# KiCad board bb-pcb-v1.kicad_pcb (continued)
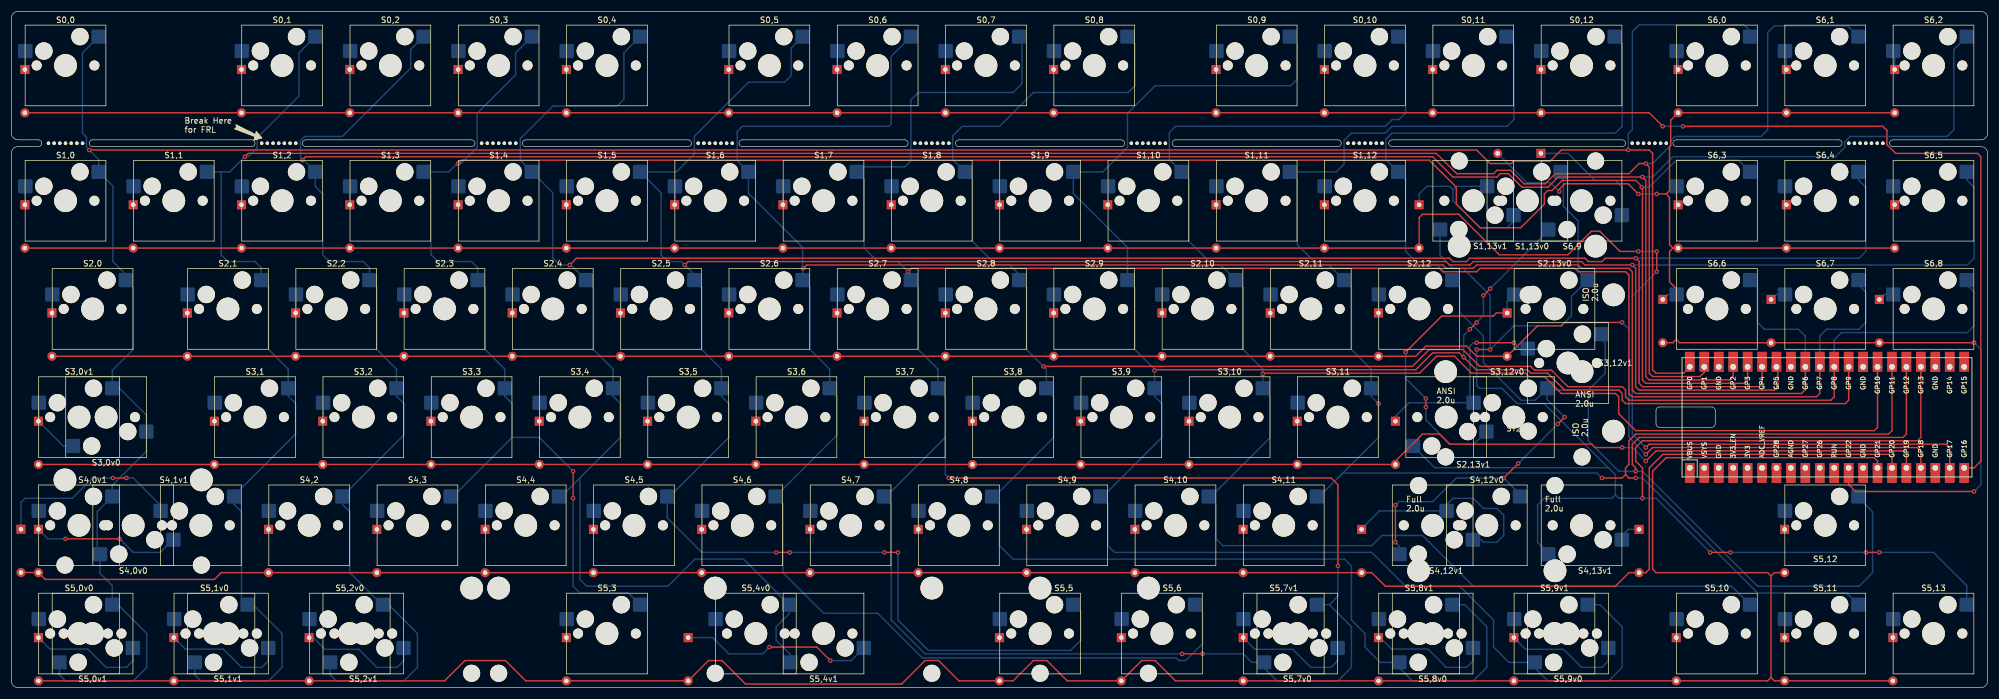
[diagram p0: board, top side]
## Nets
Col0: S0,0.2 S1,0.2 S2,0.2 S3,0v0.1 S3,0v1.2 S4,0v0.2 S4,0v1.2 S5,0v0.2 S5,0v1.2 S6,0.2 U1.1
Col1: S0,1.2 S1,1.2 S2,1.2 S3,1.2 S4,1v1.2 S5,1v0.2 S5,1v1.2 S6,1.2 U1.2
Col2: S0,2.2 S1,2.2 S2,2.2 S3,2.2 S4,2.2 S5,2v0.2 S5,2v1.2 S6,2.2 U1.4
Col3: S0,3.2 S1,3.2 S2,3.2 S3,3.2 S4,3.2 S5,3.2 S6,3.2 U1.5
Col4: S0,4.2 S1,4.2 S2,4.2 S3,4.2 S4,4.2 S5,4v0.2 S5,4v1.2 S6,4.2 U1.6
Col5: S0,5.2 S1,5.2 S2,5.2 S3,5.2 S4,5.2 S5,5.2 S6,5.2 U1.7
Col7: S0,7.2 S1,7.2 S2,7.2 S3,7.2 S4,7.2 S5,7v0.2 S5,7v1.2 S6,7.2 U1.10
Col8: S0,8.2 S1,8.2 S2,8.2 S3,8.2 S4,8.2 S5,8v0.2 S5,8v1.2 S6,8.2 U1.11
Col9: S0,9.2 S1,9.2 S2,9.2 S3,9.2 S4,9.2 S5,9v0.2 S5,9v1.2 S6,9.2 U1.12
Col10: S0,10.2 S1,10.2 S2,10.2 S3,10.2 S4,10.2 S5,10.2 U1.14
Col11: S0,11.2 S1,11.2 S2,11.2 S3,11.2 S4,11.2 S5,11.2 U1.15
Col12: S0,12.2 S1,12.2 S2,12.2 S3,12v0.2 S3,12v1.2 S4,12v0.2 S4,12v1.2 S5,12.2 U1.16
Col13: S1,13v0.2 S1,13v1.2 S2,13v0.2 S2,13v1.2 S4,13v1.2 S5,13.2 U1.17
Cpl6: S0,6.2 S1,6.2 S2,6.2 S3,6.2 S4,6.2 S5,6.2 S6,6.2 U1.9
Row0: D0,0.2 D0,1.2 D0,2.2 D0,3.2 D0,4.2 D0,5.2 D0,6.2 D0,7.2 D0,8.2 D0,9.2 D0,10.2 D0,11.2 D0,12.2 U1.21
Row1: D1,0.2 D1,1.2 D1,2.2 D1,3.2 D1,4.2 D1,5.2 D1,6.2 D1,7.2 D1,8.2 D1,9.2 D1,10.2 D1,11.2 D1,12.2 D1,13.2 U1.22
Row2: D2,0.2 D2,1.2 D2,2.2 D2,3.2 D2,4.2 D2,5.2 D2,6.2 D2,7.2 D2,8.2 D2,9.2 D2,10.2 D2,11.2 D2,12.2 D2,13.2 U1.24
Row3: D3,0.2 D3,1.2 D3,2.2 D3,3.2 D3,4.2 D3,5.2 D3,6.2 D3,7.2 D3,8.2 D3,9.2 D3,10.2 D3,11.2 D3,12.2 U1.25
Row4: D4,0.2 D4,1.2 D4,2.2 D4,3.2 D4,4.2 D4,5.2 D4,6.2 D4,7.2 D4,8.2 D4,9.2 D4,10.2 D4,11.2 D4,12.2 D4,13.2 U1.26
Row5: D5,0.2 D5,1.2 D5,2.2 D5,3.2 D5,4.2 D5,5.2 D5,6.2 D5,7.2 D5,8.2 D5,9.2 D5,10.2 D5,11.2 D5,12.2 D5,13.2 U1.27
Row6: D6,0.2 D6,1.2 D6,2.2 D6,3.2 D6,4.2 D6,5.2 D6,6.2 D6,7.2 D6,8.2 D6,9.2 U1.29
Net-(D0,0-K): D0,0.1 S0,0.1
Net-(D0,1-K): D0,1.1 S0,1.1
Net-(D0,2-K): D0,2.1 S0,2.1
Net-(D0,3-K): D0,3.1 S0,3.1
Net-(D0,4-K): D0,4.1 S0,4.1
Net-(D0,5-K): D0,5.1 S0,5.1
Net-(D0,6-K): D0,6.1 S0,6.1
Net-(D0,7-K): D0,7.1 S0,7.1
Net-(D0,8-K): D0,8.1 S0,8.1
Net-(D0,9-K): D0,9.1 S0,9.1
Net-(D0,10-K): D0,10.1 S0,10.1
Net-(D0,11-K): D0,11.1 S0,11.1
Net-(D0,12-K): D0,12.1 S0,12.1
Net-(D1,0-K): D1,0.1 S1,0.1
Net-(D1,1-K): D1,1.1 S1,1.1
Net-(D1,2-K): D1,2.1 S1,2.1
Net-(D1,3-K): D1,3.1 S1,3.1
Net-(D1,4-K): D1,4.1 S1,4.1
Net-(D1,5-K): D1,5.1 S1,5.1
Net-(D1,6-K): D1,6.1 S1,6.1
Net-(D1,7-K): D1,7.1 S1,7.1
Net-(D1,8-K): D1,8.1 S1,8.1
Net-(D1,9-K): D1,9.1 S1,9.1
Net-(D1,10-K): D1,10.1 S1,10.1
Net-(D1,11-K): D1,11.1 S1,11.1
Net-(D1,12-K): D1,12.1 S1,12.1
Net-(D1,13-K): D1,13.1 S1,13v0.1 S1,13v1.1
Net-(D2,0-K): D2,0.1 S2,0.1
Net-(D2,1-K): D2,1.1 S2,1.1
Net-(D2,2-K): D2,2.1 S2,2.1
Net-(D2,3-K): D2,3.1 S2,3.1
Net-(D2,4-K): D2,4.1 S2,4.1
Net-(D2,5-K): D2,5.1 S2,5.1
Net-(D2,6-K): D2,6.1 S2,6.1
Net-(D2,7-K): D2,7.1 S2,7.1
Net-(D2,8-K): D2,8.1 S2,8.1
Net-(D2,9-K): D2,9.1 S2,9.1
Net-(D2,10-K): D2,10.1 S2,10.1
Net-(D2,11-K): D2,11.1 S2,11.1
Net-(D2,12-K): D2,12.1 S2,12.1
Net-(D2,13-K): D2,13.1 S2,13v0.1 S2,13v1.1
Net-(D3,0-K): D3,0.1 S3,0v0.2 S3,0v1.1
Net-(D3,1-K): D3,1.1 S3,1.1
Net-(D3,2-K): D3,2.1 S3,2.1
Net-(D3,3-K): D3,3.1 S3,3.1
Net-(D3,4-K): D3,4.1 S3,4.1
Net-(D3,5-K): D3,5.1 S3,5.1
Net-(D3,6-K): D3,6.1 S3,6.1
Net-(D3,7-K): D3,7.1 S3,7.1
Net-(D3,8-K): D3,8.1 S3,8.1
Net-(D3,9-K): D3,9.1 S3,9.1
Net-(D3,10-K): D3,10.1 S3,10.1
Net-(D3,11-K): D3,11.1 S3,11.1
Net-(D3,12-K): D3,12.1 S3,12v0.1 S3,12v1.1
Net-(D4,0-K): D4,0.1 S4,0v0.1 S4,0v1.1
Net-(D4,1-K): D4,1.1 S4,1v1.1
Net-(D4,2-K): D4,2.1 S4,2.1
Net-(D4,3-K): D4,3.1 S4,3.1
Net-(D4,4-K): D4,4.1 S4,4.1
Net-(D4,5-K): D4,5.1 S4,5.1
Net-(D4,6-K): D4,6.1 S4,6.1
Net-(D4,7-K): D4,7.1 S4,7.1
Net-(D4,8-K): D4,8.1 S4,8.1
Net-(D4,9-K): D4,9.1 S4,9.1
Net-(D4,10-K): D4,10.1 S4,10.1
Net-(D4,11-K): D4,11.1 S4,11.1
Net-(D4,12-K): D4,12.1 S4,12v0.1 S4,12v1.1
Net-(D4,13-K): D4,13.1 S4,13v1.1
Net-(D5,0-K): D5,0.1 S5,0v0.1 S5,0v1.1
Net-(D5,1-K): D5,1.1 S5,1v0.1 S5,1v1.1
Net-(D5,2-K): D5,2.1 S5,2v0.1 S5,2v1.1
Net-(D5,3-K): D5,3.1 S5,3.1
Net-(D5,4-K): D5,4.1 S5,4v0.1 S5,4v1.1
Net-(D5,5-K): D5,5.1 S5,5.1
Net-(D5,6-K): D5,6.1 S5,6.1
Net-(D5,7-K): D5,7.1 S5,7v0.1 S5,7v1.1
Net-(D5,8-K): D5,8.1 S5,8v0.1 S5,8v1.1
Net-(D5,9-K): D5,9.1 S5,9v0.1 S5,9v1.1
Net-(D5,10-K): D5,10.1 S5,10.1
Net-(D5,11-K): D5,11.1 S5,11.1
Net-(D5,12-K): D5,12.1 S5,12.1
Net-(D5,13-K): D5,13.1 S5,13.1
Net-(D6,0-K): D6,0.1 S6,0.1
Net-(D6,1-K): D6,1.1 S6,1.1
Net-(D6,2-K): D6,2.1 S6,2.1
Net-(D6,3-K): D6,3.1 S6,3.1
Net-(D6,4-K): D6,4.1 S6,4.1
Net-(D6,5-K): D6,5.1 S6,5.1
Net-(D6,6-K): D6,6.1 S6,6.1
Net-(D6,7-K): D6,7.1 S6,7.1
Net-(D6,8-K): D6,8.1 S6,8.1
Net-(D6,9-K): D6,9.1 S6,9.1

Pads without a net: U1 3 8 13 18 19 20 23 28 30 31 32 33 34 35 36 37 38 39 40

## Via types
v1: diameter 0.8, hole 0.4, Top to Bottom, 75 vias

## Routing (per net, layer and track width the routed paths; a pad name or vN(x,y) marks a point on that pad's centre or on a via; arc(x,y) is an arc through that point)
Col0: length 513.9
  Top w0.25: U1.1 294.16,55.36 289.32,55.36 288.73,55.96 288.73,94.06 288.13,94.65 v1(284.44,94.65) 272.65,94.65 270.7,92.71 264.32,92.71 263.89,92.27 260.15,92.27 257.77,94.65 v1(13.69,94.65)
  Bottom w0.25: 305.88,114.62 305.88,115.6 304.8,116.68 286.35,116.68 285.15,115.49 285.15,98.23 284.44,97.51 v1(284.44,94.65) 284.46,94.67 ; S5,0v1.2 8.45,2.27 9.53,1.19 21.43,1.19 23.81,3.57 23.81,9.53 18.73,14.61 S5,0v0.2 17.75,17.97 15.59,20.13 S4,0v0.2 15.1,23.98 15.1,31.01 S4,0v1.2 17.75,35.61 23.81,41.67 23.75,41.73 S3,0v0.1 23.75,47.97 19.02,52.71 S3,0v1.2 17.75,55.85 21.43,59.53 21.43,70.45 S2,0.2 20.13,72.74 17.86,75.01 17.86,88.31 S1,0.2 15.37,92.98 v1(13.69,94.65) 13.2,95.15 13.2,96.93 12.5,97.63 12.5,111.75 15.37,114.62
Col1: length 515.5
  Top w0.25: U1.2 297.82,55.52 297.06,54.77 288.73,54.77 288.13,55.36 288.13,91.68 v1(287.54,92.27) 286.35,92.27 284.56,90.49 271.61,90.49 269.82,88.7 266.1,88.7 263.72,91.08 261.34,91.08 260.75,90.49 254.25,90.49 ; v1(41.08,93.46) 41.67,94.06 250.68,94.06 254.22,90.51 ; 254.22,90.51 254.25,90.49 ; 254.22,90.51 254.25,90.49
  Bottom w0.25: v1(287.54,92.27) 288.73,92.27 291.91,95.45 291.91,96.26 292.69,97.04 307.78,97.04 308.97,98.23 308.97,115.33 310.16,116.52 323.03,116.52 324.93,114.62 ; 36.91,90.81 36.91,76.2 38.1,75.01 42.86,75.01 44.05,73.82 43.94,73.71 S2,1.2 45.24,70.45 45.24,59.53 48.7,56.07 S3,1.2 48.7,51.31 50.01,50.01 50.01,44.65 39.18,33.82 S4,1v1.2 39.18,32.26 40.48,30.96 40.48,15.68 S5,1v0.2 42.55,14.61 47.63,9.53 47.63,3.57 45.24,1.19 33.34,1.19 32.26,2.27 S5,1v1.2 ; 36.91,90.81 38.42,90.81 v1(41.08,93.46) 41.67,93.46 43.22,95.01 43.22,96.8 50.6,104.18 50.6,111.75 53.47,114.62 ; 36.91,90.81 S1,1.2
Col2: length 533.2
  Top w0.25: U1.4 302.9,54.77 302.3,54.17 288.13,54.17 287.54,54.77 287.54,89.3 v1(286.94,89.89) 272.1,89.89 270.31,88.11 265.74,88.11 263.35,90.49 261.94,90.49 261.34,89.89 253.6,89.89 250.03,93.46 51.79,93.46 v1(51.2,92.87)
  Bottom w0.25: S5,2v1.2 56.07,2.27 57.15,1.19 69.06,1.19 71.44,3.57 71.44,9.53 66.36,14.61 S5,2v0.2 65.17,14.61 59.53,20.24 59.53,30.96 58.23,32.26 S4,2.2 69.06,44.48 69.06,50.01 67.75,51.31 S3,2.2 67.75,56.07 64.29,59.53 64.29,70.45 S2,2.2 62.99,73.93 61.91,75.01 55.96,75.01 54.77,76.2 54.77,86.92 53.47,88.22 S1,2.2 51.4,92.87 v1(51.2,92.87) 51.2,93.08 50.86,93.41 50.86,96.28 51.62,97.04 58.23,97.04 70.25,109.05 70.25,112.35 72.52,114.62 ; 343.98,114.62 341.71,112.35 341.71,98.23 340.52,97.04 323.47,97.04 322.54,96.11 322.54,95.13 320.87,93.46 292.3,93.46 288.73,89.89 v1(286.94,89.89)
Col3: length 450.6
  Top w0.25: 286.94,88.11 285.75,89.3 272.81,89.3 271.02,87.51 270.27,87.51 269.68,86.92 269.68,85.13 265.51,80.96 258.37,80.96 254.2,85.13 254.2,88.11 249.44,92.87 79.18,92.87 v1(78.58,92.27) ; 286.94,88.11 v1(286.81,88.11) ; 286.94,88.11 286.94,54.17 287.54,53.58 304.8,53.58 305.44,54.21 U1.5 ; v1(98.82,38.1) v1(98.82,33.34)
  Bottom w0.25: 91.57,114.62 88.7,111.75 88.7,107.88 81.92,101.1 81.92,95.11 79.09,92.27 v1(78.58,92.27) 78.41,92.27 76.94,90.81 S1,3.2 73.82,89.5 73.82,76.2 75.01,75.01 80.96,75.01 82.04,73.93 S2,3.2 83.34,70.45 83.34,59.53 86.8,56.07 S3,3.2 86.8,51.31 88.11,50.01 88.11,44.05 ; S5,3.2 108.55,16.67 100.01,16.67 98.82,17.86 v1(98.82,33.34) ; 88.11,44.05 77.71,33.66 S4,3.2 ; 88.11,44.05 92.87,44.05 v1(98.82,38.1) ; S6,3.2 303.82,92.87 292.89,92.87 288.13,88.11 v1(286.81,88.11)
Col4: length 473.9
  Top w0.25: U1.6 307.98,53.58 307.38,52.98 286.94,52.98 286.35,53.58 286.35,75.01 v1(285.75,75.6) 280.39,75.6 279.8,75.01 277.42,75.01 276.82,75.6 256.58,75.6 255.98,75.01 253.6,75.01 253.01,75.6 99.42,75.6 v1(98.23,74.41)
  Bottom w0.25: v1(285.75,75.6) 325.04,75.6 326.23,76.8 326.23,88.11 324.93,89.41 S6,4.2 ; 100.01,36.91 100.01,19.05 101.2,17.86 115.49,17.86 120.25,22.62 128.79,22.62 S5,4v0.2 136.81,12.99 134.54,10.72 134.54,8.33 137.03,5.84 S5,4v1.2 ; 100.01,36.91 96.76,33.66 S4,4.2 ; 100.01,36.91 107.16,44.05 107.16,50.01 105.85,51.31 S3,4.2 105.85,56.07 102.39,59.53 102.39,70.45 S2,4.2 98.43,74.41 v1(98.23,74.41) 96.44,74.41 95.25,75.6 95.25,87.12 S1,4.2 89.54,92.83 89.54,96.68 95.25,102.39 95.85,102.39 106.56,102.39 107.75,103.58 107.75,111.75 110.62,114.62
Col5: length 510.2
  Top w0.25: v1(134.54,23.81) v1(136.92,23.81) ; U1.7 310.75,56.24 310.75,52.98 310.16,52.39 286.35,52.39 285.75,52.98 285.75,73.82 v1(285.15,74.41) 276.82,74.41 276.23,75.01 257.18,75.01 256.58,74.41 253.01,74.41 252.41,75.01 119.06,75.01 v1(118.47,74.41) ; v1(153.59,23.81) v1(155.97,23.81)
  Bottom w0.25: 116.68,32.35 S4,5.2 ; S4,5.2 115.81,33.66 126.21,44.05 126.21,50.01 124.9,51.31 S3,5.2 124.9,56.07 121.44,59.53 121.44,70.45 S2,5.2 120.14,72.74 118.47,74.41 v1(118.47,74.41) 117.87,75.01 115.49,75.01 114.3,76.2 114.3,87.12 S1,5.2 117,90.81 120.15,93.96 120.15,97.07 129.68,106.6 136.02,106.6 137.18,107.75 137.18,112.61 139.19,114.62 ; S4,5.2 115.38,29.88 121.44,23.81 v1(134.54,23.81) ; v1(285.15,74.41) 344.09,74.41 345.28,75.6 345.28,88.11 343.98,89.41 S6,5.2 ; S5,5.2 188.12,13.3 188.12,8.33 186.33,6.55 161.33,6.55 155.97,11.91 v1(155.97,23.81) ; v1(136.92,23.81) v1(153.59,23.81)
Col7: length 553
  Top w0.25: v1(233.36,21.43) 233.36,35.72 232.17,36.91 v1(164.9,36.91) ; v1(205.98,5.95) v1(209.55,5.95) ; U1.10 318.14,51.79 317.54,51.2 285.15,51.2 284.56,51.79 284.56,72.63 283.96,73.22 275.63,73.22 275.03,73.82 258.37,73.82 257.77,73.22 251.82,73.22 251.22,73.82 158.35,73.82 v1(157.76,73.22)
  Bottom w0.25: v1(164.9,36.91) 164.31,37.5 164.31,44.05 ; 231.85,14.61 S5,7v1.2 ; 231.85,14.61 233.36,16.11 v1(233.36,21.43) ; 231.85,14.61 235.74,10.72 235.74,3.57 233.36,1.19 222.65,1.19 220.38,3.46 S5,7v0.2 218.2,4.45 216.69,5.95 v1(209.55,5.95) ; 164.31,44.05 153.91,33.66 S4,7.2 154.78,32.35 154.78,11.91 160.73,5.95 v1(205.98,5.95) ; 164.31,44.05 164.31,51.2 163,52.5 S3,7.2 163,56.07 159.54,59.53 159.54,70.45 S2,7.2 158.24,72.74 v1(157.76,73.22) 155.97,75.01 152.4,75.01 150.02,77.39 150.02,89.5 S1,7.2 149.59,91.68 157.16,91.68 158.25,92.77 158.25,103.48 159.54,104.78 176.21,104.78 177.78,106.34 177.78,114.13 177.29,114.62 ; S6,7.2 324.93,70.95 326.23,69.65 326.23,64.29 325.04,63.1 319.33,63.1 318.14,61.91 U1.10
Col8: length 439.2
  Top w0.25: v1(181.57,56.55) 246.46,56.55 249.44,59.53 255.35,59.53 258.32,56.55 267.3,56.55 267.95,55.9 270.93,55.9 273.84,52.98 283.37,52.98 283.96,52.39 283.96,51.2 284.56,50.6 320.08,50.6 320.68,51.2 U1.11
  Bottom w0.25: S5,8v1.2 255.67,14.61 259.56,10.72 259.56,3.57 257.18,1.19 246.46,1.19 244.19,3.46 S5,8v0.2 240.82,4.45 238.13,7.14 238.13,9.53 235.74,11.91 235.74,21.43 234.55,22.62 176.21,22.62 173.83,25 173.83,32.35 S4,8.2 172.96,33.66 183.36,44.05 183.36,51.2 182.05,52.5 S3,8.2 182.05,56.07 v1(181.57,56.55) 178.59,59.53 178.59,70.45 S2,8.2 177.29,72.74 175.62,74.41 173.24,74.41 169.07,78.58 169.07,89.5 S1,8.2 165.6,92.97 165.6,97.14 167.28,98.82 173.83,98.82 179.78,104.78 196.45,104.78 197.64,105.97 197.64,113.32 196.34,114.62 ; U1.11 320.68,61.22 321.97,62.51 344.09,62.51 345.28,63.7 345.28,69.65 343.98,70.95 S6,8.2
Col9: length 417.3
  Top w0.25: v1(201.1,55.83) 201.23,55.96 247.05,55.96 250.03,58.94 254.72,58.94 v1(255.5,58.16) 257.7,55.96 266.7,55.96 267.3,55.36 270.27,55.36 273.25,52.39 282.77,52.39 283.37,51.79 283.37,50.6 283.96,50.01 322.62,50.01 323.22,50.6 U1.12 ; v1(258.96,69.06) v1(260.15,70.25) ; v1(256.58,63.1) v1(257.77,64.29)
  Bottom w0.25: v1(256.58,63.1) 255.5,62.02 v1(255.5,58.16) ; S6,9.2 270.38,80.48 v1(260.15,70.25) ; v1(257.77,64.29) 258.96,65.48 v1(258.96,69.06) ; 224.92,114.62 226.22,113.32 226.22,107.16 225.03,105.97 201.22,105.97 196.35,101.1 196.35,95.15 192.01,90.81 S1,9.2 186.82,87.03 196.34,77.5 S2,9.2 197.64,70.45 197.64,59.53 201.1,56.07 v1(201.1,55.83) S3,9.2 201.1,51.31 202.41,50.01 202.41,44.05 192.01,33.66 S4,9.2 192.88,32.35 192.88,25 194.07,23.81 239.32,23.81 245.27,17.86 254.79,17.86 260.75,11.91 260.75,7.14 263.45,4.45 S5,9v0.2 268,3.46 270.27,1.19 280.99,1.19 283.37,3.57 283.37,10.72 279.48,14.61 S5,9v1.2
Col10: length 369.7
  Top w0.25: U1.14 328.3,45.84 327.7,45.24 285.75,45.24 282.77,48.22 282.77,51.2 282.18,51.79 272.65,51.79 269.7,54.75 266.98,54.75 266.36,55.36 256.85,55.36 253.88,58.34 250.71,58.34 247.73,55.36 220.28,55.36 v1(220.15,55.23)
  Bottom w0.25: S5,10.2 302.63,17.86 257.18,17.86 249.44,25.6 248.25,26.79 241.1,26.79 239.32,25 213.12,25 211.93,26.19 211.93,32.35 S4,10.2 211.06,33.66 221.46,44.05 221.46,51.2 220.15,52.5 S3,10.2 v1(220.15,55.23) 220.15,56.07 216.69,59.53 216.69,70.45 S2,10.2 212.73,74.41 211.34,74.41 207.17,78.58 207.17,89.5 S1,10.2 203.7,92.97 203.7,97.73 204.79,98.82 241.7,98.82 242.89,100.01 244.08,100.01 245.27,101.2 245.27,113.32 243.97,114.62
Col11: length 296.8
  Top w0.25: 283.96,37.5 283.96,38.7 284.56,39.29 284.56,43.46 285.75,44.65 330.24,44.65 330.84,45.24 U1.15 ; 283.96,37.5 284.56,36.91 v1(285.75,36.91) ; 283.96,37.5 283.37,36.91 v1(279.8,36.91)
  Bottom w0.25: v1(279.8,36.91) 278.91,37.79 234.25,37.79 233.36,36.91 ; S4,11.2 230.11,33.66 233.36,36.91 ; 233.36,36.91 240.51,44.05 v1(240.51,50.01) 239.2,51.31 S3,11.2 239.2,56.07 235.74,59.53 235.74,70.45 S2,11.2 231.78,74.41 229.79,74.41 226.22,77.99 226.22,89.5 S1,11.2 233.08,90.81 234.45,92.17 234.45,96.34 235.74,97.63 241.7,97.63 242.89,98.82 263.13,98.82 264.32,100.01 264.32,113.32 263.02,114.62 ; v1(285.75,36.91) 286.94,36.91 307.18,16.67 322.87,16.67 S5,11.2
Col12: length 347.4
  Top w0.25: v1(285.75,38.1) 285.75,38.7 285.15,39.29 285.15,42.86 286.35,44.05 332.78,44.05 333.38,44.65 U1.16 ; v1(243.48,25.6) v1(243.48,32.15) ; v1(262.53,36.91) v1(265.1,39.47) ; v1(272.06,46.43) v1(273.25,47.62)
  Bottom w0.25: 277.42,52.39 270.48,52.39 S3,12v0.2 ; 277.42,52.39 280.39,55.36 280.39,60.72 279.69,61.43 S3,12v1.2 ; 277.42,52.39 277.42,43.46 282.77,38.1 286.94,38.1 307.18,17.86 325.04,17.86 327.42,20.24 327.42,30.96 324.93,33.45 S5,12.2 ; S3,12v0.2 268.06,50.6 265.59,50.6 258.96,57.24 258.96,61.91 254.79,66.08 254.79,70.45 S2,12.2 250.83,74.41 247.65,74.41 245.27,76.8 245.27,89.5 S1,12.2 241.8,92.97 241.8,96.54 242.89,97.63 282.18,97.63 283.37,98.82 283.37,113.32 282.07,114.62 ; S3,12v0.2 270.16,50.71 v1(273.25,47.62) ; S4,12v1.2 244.19,24.89 v1(243.48,25.6) ; v1(243.48,32.15) 244.08,32.74 250.03,32.74 254.2,36.91 v1(262.53,36.91) 265.4,34.04 S4,12v0.2 ; v1(265.1,39.47) v1(272.06,46.43)
Col13: length 318.6
  Top w0.25: v1(257.77,59.53) v1(260.15,59.53) ; v1(286.94,33.34) 286.94,38.7 285.75,39.89 285.75,42.27 286.94,43.46 335.32,43.46 335.92,44.05 U1.17 ; v1(298.85,23.81) v1(302.42,23.81) ; v1(326.23,23.81) v1(328.61,23.81)
  Bottom w0.25: 280.96,38.67 281.01,38.67 282.18,37.5 282.18,33.93 ; 280.96,38.67 280.91,38.73 250.39,38.73 S2,13v1.2 ; 280.96,38.67 269.62,50.01 264.91,50.01 262.22,52.71 258.25,52.71 257.77,53.19 v1(257.77,59.53) ; S5,13.2 343.98,17.97 338.14,23.81 v1(328.61,23.81) ; S4,13v1.2 270.38,23.7 268.49,25.6 268.49,32.15 269.68,33.34 281.58,33.34 282.18,33.93 ; S1,13v0.2 273.03,90.32 273.03,84.75 275.63,82.15 275.63,73.43 S2,13v0.2 274.44,68.89 274.44,65.48 272.65,63.7 264.32,63.7 v1(260.15,59.53) 260.15,69.06 255.39,73.82 253.6,73.82 251.33,76.09 S1,13v1.2 ; 282.18,33.93 282.77,33.34 v1(286.94,33.34) 289.32,33.34 v1(298.85,23.81) ; v1(302.42,23.81) v1(326.23,23.81)
Cpl6: length 449.5
  Top w0.25: v1(139.3,73.82) 139.9,74.41 251.82,74.41 252.41,73.82 257.18,73.82 257.77,74.41 275.63,74.41 276.23,73.82 284.56,73.82 285.15,73.22 285.15,52.39 285.75,51.79 314.92,51.79 315.6,52.47 U1.9
  Bottom w0.25: S5,6.2 209.55,13.3 209.55,7.74 206.57,4.76 205.38,4.76 204.92,5.23 160.27,5.23 160.14,5.36 152.4,13.1 142.88,13.1 135.73,20.24 135.73,32.35 S4,6.2 145.26,44.48 145.26,51.2 143.95,52.5 S3,6.2 143.95,56.07 140.49,59.53 140.49,70.45 S2,6.2 139.19,73.71 v1(139.3,73.82) 139.19,73.93 139.19,77.5 129.67,87.03 S1,6.2 127.68,92.79 127.68,97.92 128.59,98.82 154.35,98.82 154.78,99.25 154.78,111.16 158.24,114.62 ; U1.9 315.6,61.87 314.36,63.1 308.37,63.1 307.18,64.29 307.18,70.45 S6,6.2 305.88,71.33
Row0: length 405.8
  Top w0.25: U1.21 345.28,38.7 346.47,39.89 346.47,93.46 345.88,94.06 331.49,94.06 329.95,95.6 329.95,98.08 329.21,98.82 v1(294.08,98.82) ; v1(290.51,98.82) 288.13,101.2 D0,12.2 D0,11.2 D0,10.2 D0,9.2 D0,8.2 D0,7.2 D0,6.2 D0,5.2 D0,4.2 D0,3.2 D0,2.2 D0,1.2 D0,0.2
  Bottom w0.25: v1(290.51,98.82) v1(294.08,98.82)
Row1: length 393.7
  Top w0.25: v1(287.54,42.27) 288.13,42.86 340.4,42.86 341,42.27 U1.22 ; D1,0.2 D1,1.2 D1,2.2 D1,3.2 D1,4.2 D1,5.2 D1,6.2 D1,7.2 D1,8.2 D1,9.2 D1,10.2 D1,11.2 D1,12.2 D1,13.2 247.65,82.75 248.25,83.34 254.62,83.34 261.77,76.2 273.82,76.2 277.98,80.37 279.42,80.37 282.99,76.8 v1(286.22,76.8) ; v1(289.45,76.8) v1(289.45,73.22)
  Bottom w0.25: v1(289.45,73.22) 285.15,68.93 285.15,44.65 v1(287.54,42.27) ; v1(286.22,76.8) v1(289.45,76.8)
Row2: length 357.2
  Top w0.25: D2,0.2 D2,1.2 D2,2.2 D2,3.2 D2,4.2 D2,5.2 D2,6.2 D2,7.2 D2,8.2 D2,9.2 D2,10.2 D2,11.2 D2,12.2 247.05,58.34 248.84,60.13 255.98,60.13 257.77,58.34 D2,13.2 268.49,63.7 272.65,63.7 273.25,64.29 v1(283.37,64.29) ; U1.24 335.92,41.67 335.32,42.27 288.73,42.27 v1(287.54,41.08)
  Bottom w0.25: v1(287.54,41.08) 284.56,44.05 284.56,63.1 v1(283.37,64.29)
Row3: length 336.5
  Top w0.25: v1(283.37,42.27) 278.61,42.27 278.01,42.86 253.01,42.86 251.22,44.65 248.25,44.65 243.48,39.89 D3,12.2 D3,11.2 D3,10.2 D3,9.2 D3,8.2 D3,7.2 D3,6.2 D3,5.2 D3,4.2 D3,3.2 D3,2.2 D3,1.2 D3,0.2 ; v1(287.54,39.89) 289.32,41.67 332.78,41.67 333.38,41.08 U1.25
  Bottom w0.25: v1(283.37,42.27) 285.15,42.27 v1(287.54,39.89)
Row4: length 353.2
  Top w0.25: D4,1.2 4.73,20.27 D4,0.2 5.95,19.05 35.72,19.05 36.91,20.24 D4,2.2 D4,3.2 D4,4.2 D4,5.2 D4,6.2 D4,7.2 D4,8.2 D4,9.2 D4,10.2 D4,11.2 239.32,20.24 241.7,17.86 282.18,17.86 284.56,20.24 287.54,20.24 288.13,20.84 288.13,38.7 290.51,41.08 330.24,41.08 330.84,40.48 U1.26
Row5: length 443
  Top w0.25: 309.56,1.79 308.97,1.19 D5,10.2 D5,9.2 D5,8.2 D5,7.2 204.79,1.19 201.22,4.76 198.83,4.76 D5,6.2 185.74,1.19 182.17,4.76 179.78,4.76 176.21,1.19 D5,5.2 166.69,1.19 163.12,4.76 160.73,4.76 156.61,0.64 129.14,0.64 125.02,4.76 122.63,4.76 D5,4.2 D5,3.2 90.49,1.19 86.92,4.76 79.77,4.76 76.2,1.19 D5,2.2 D5,1.2 D5,0.2 ; 309.56,1.79 310.16,1.19 D5,11.2 D5,13.2 ; 309.56,1.79 309.56,19.65 ; 309.56,19.65 310.16,20.24 D5,12.2 ; 309.56,19.65 308.97,20.24 289.32,20.24 288.73,20.84 288.73,38.1 291.11,40.48 327.7,40.48 328.3,39.89 U1.27
Row6: length 261.1
  Top w0.25: 292.89,61.32 292.89,70.25 291.7,71.44 291.7,76.8 292.3,77.39 ; 292.89,61.32 292.3,60.72 D6,6.2 ; 292.89,61.32 293.49,60.72 D6,7.2 D6,8.2 v1(345.28,60.72) ; v1(272.31,87.33) 272.31,87.76 273.25,88.7 284.43,88.7 v1(286.22,86.92) ; 292.3,77.39 291.7,77.99 291.7,86.32 291.11,86.92 ; 292.3,77.39 D6,3.2 D6,4.2 D6,5.2 ; v1(289.45,86.92) 291.11,86.92 ; 291.11,86.92 291.7,87.51 291.7,95.25 291.91,95.45 291.91,99.9 D6,0.2 D6,1.2 D6,2.2 ; U1.29 323.22,35.76 324.45,34.53 v1(345.28,34.53)
  Bottom w0.25: D6,9.2 266.62,88.91 270.73,88.91 v1(272.31,87.33) ; v1(345.28,34.53) 346.47,35.72 346.47,59.53 v1(345.28,60.72) ; v1(286.22,86.92) v1(289.45,86.92)
Net-(D0,0-K): length 3.3
  Bottom w0.25: D0,0.1 2.38,112.02 S0,0.1
Net-(D0,1-K): length 3.3
  Bottom w0.25: S0,1.1 40.48,112.02 D0,1.1
Net-(D0,2-K): length 3.3
  Bottom w0.25: D0,2.1 59.53,112.02 S0,2.1
Net-(D0,3-K): length 3.3
  Bottom w0.25: S0,3.1 78.58,112.02 D0,3.1
Net-(D0,4-K): length 3.3
  Bottom w0.25: S0,4.1 97.63,112.02 D0,4.1
Net-(D0,5-K): length 3.3
  Bottom w0.25: D0,5.1 126.21,112.02 S0,5.1
Net-(D0,6-K): length 3.3
  Bottom w0.25: S0,6.1 145.26,112.02 D0,6.1
Net-(D0,7-K): length 3.3
  Bottom w0.25: S0,7.1 164.31,112.02 D0,7.1
Net-(D0,8-K): length 3.3
  Bottom w0.25: S0,8.1 183.36,112.02 D0,8.1
Net-(D0,9-K): length 3.3
  Bottom w0.25: S0,9.1 211.93,112.02 D0,9.1
Net-(D0,10-K): length 3.3
  Bottom w0.25: S0,10.1 230.98,112.02 D0,10.1
Net-(D0,11-K): length 3.3
  Bottom w0.25: S0,11.1 250.03,112.02 D0,11.1
Net-(D0,12-K): length 3.3
  Bottom w0.25: S0,12.1 269.08,112.02 D0,12.1
Net-(D1,0-K): length 3.3
  Bottom w0.25: S1,0.1 2.38,88.21 D1,0.1
Net-(D1,1-K): length 3.3
  Bottom w0.25: S1,1.1 21.43,88.21 D1,1.1
Net-(D1,2-K): length 3.4
  Bottom w0.25: D1,2.1 40.48,85.73 40.54,85.78 S1,2.1 40.54,88.17
Net-(D1,3-K): length 3.3
  Bottom w0.25: D1,3.1 59.53,88.21 S1,3.1
Net-(D1,4-K): length 3.3
  Bottom w0.25: D1,4.1 78.58,88.21 S1,4.1
Net-(D1,5-K): length 3.3
  Bottom w0.25: D1,5.1 97.63,88.21 S1,5.1
Net-(D1,6-K): length 3.3
  Bottom w0.25: D1,6.1 116.68,88.21 S1,6.1
Net-(D1,7-K): length 3.3
  Bottom w0.25: D1,7.1 135.73,88.21 S1,7.1
Net-(D1,8-K): length 3.3
  Bottom w0.25: D1,8.1 154.78,88.21 S1,8.1
Net-(D1,9-K): length 3.3
  Bottom w0.25: S1,9.1 173.83,88.21 D1,9.1
Net-(D1,10-K): length 3.3
  Bottom w0.25: D1,10.1 192.88,88.21 S1,10.1
Net-(D1,11-K): length 3.3
  Bottom w0.25: S1,11.1 211.93,88.21 D1,11.1
Net-(D1,12-K): length 4.1
  Bottom w0.25: 231.04,85.78 230.98,85.73 D1,12.1 230.98,88.21 S1,12.1
Net-(D1,13-K): length 31.1
  Bottom w0.25: 253.6,87.67 253.01,88.27 249,88.27 247.65,86.92 D1,13.1 ; 253.6,87.67 253.6,85.73 258.37,80.96 263.13,80.96 264.26,82.09 S1,13v1.1 ; 253.6,87.67 254.2,88.27 S1,13v0.1
Net-(D2,0-K): length 3.3
  Bottom w0.25: S2,0.1 7.14,69.16 D2,0.1
Net-(D2,1-K): length 3.3
  Bottom w0.25: D2,1.1 30.96,69.16 S2,1.1
Net-(D2,2-K): length 3.3
  Bottom w0.25: D2,2.1 50.01,69.16 S2,2.1
Net-(D2,3-K): length 3.3
  Bottom w0.25: D2,3.1 69.06,69.16 S2,3.1
Net-(D2,4-K): length 3.3
  Bottom w0.25: S2,4.1 88.11,69.16 D2,4.1
Net-(D2,5-K): length 3.3
  Bottom w0.25: D2,5.1 107.16,69.16 S2,5.1
Net-(D2,6-K): length 3.3
  Bottom w0.25: S2,6.1 126.21,69.16 D2,6.1
Net-(D2,7-K): length 3.3
  Bottom w0.25: D2,7.1 145.26,69.16 S2,7.1
Net-(D2,8-K): length 3.3
  Bottom w0.25: S2,8.1 164.31,69.16 D2,8.1
Net-(D2,9-K): length 3.3
  Bottom w0.25: D2,9.1 183.36,69.16 S2,9.1
Net-(D2,10-K): length 3.3
  Bottom w0.25: S2,10.1 202.41,69.16 D2,10.1
Net-(D2,11-K): length 3.3
  Bottom w0.25: D2,11.1 221.46,69.16 S2,11.1
Net-(D2,12-K): length 3.3
  Bottom w0.25: D2,12.1 240.51,69.16 S2,12.1
Net-(D2,13-K): length 51.3
  Top w0.25: v1(245.27,59.07) 251.63,65.43 260.69,65.43 261.22,65.96 D2,13.1 ; v1(248.84,49.41) v1(248.84,50.89)
  Bottom w0.25: 245.33,59.01 v1(245.27,59.07) 245.27,54.46 v1(248.84,50.89) ; S2,13v1.1 257.28,42.86 253.11,42.86 248.84,47.14 v1(248.84,49.41) ; S2,13v0.1 263.13,67.97 D2,13.1
Net-(D3,0-K): length 11.2
  Bottom w0.25: S3,0v0.2 9.13,42.55 D3,0.1 4.82,46.97 S3,0v1.1
Net-(D3,1-K): length 3.3
  Bottom w0.25: D3,1.1 35.78,46.97 S3,1.1
Net-(D3,2-K): length 3.3
  Bottom w0.25: S3,2.1 54.83,46.97 D3,2.1
Net-(D3,3-K): length 3.3
  Bottom w0.25: S3,3.1 73.88,46.97 D3,3.1
Net-(D3,4-K): length 3.3
  Bottom w0.25: D3,4.1 92.93,46.97 S3,4.1
Net-(D3,5-K): length 3.3
  Bottom w0.25: S3,5.1 111.98,46.97 D3,5.1
Net-(D3,6-K): length 3.3
  Bottom w0.25: D3,6.1 131.03,46.97 S3,6.1
Net-(D3,7-K): length 3.3
  Bottom w0.25: S3,7.1 150.08,46.97 D3,7.1
Net-(D3,8-K): length 3.3
  Bottom w0.25: D3,8.1 169.13,46.97 S3,8.1
Net-(D3,9-K): length 3.3
  Bottom w0.25: D3,9.1 188.18,46.97 S3,9.1
Net-(D3,10-K): length 3.3
  Bottom w0.25: D3,10.1 207.23,46.97 S3,10.1
Net-(D3,11-K): length 3.3
  Bottom w0.25: S3,11.1 226.28,46.97 D3,11.1
Net-(D3,12-K): length 38.3
  Top w0.25: v1(257.77,60.72) v1(264.32,60.72)
  Bottom w0.25: S3,12v0.1 256.58,50.82 256.58,60.13 257.18,60.72 v1(257.77,60.72) ; S3,12v0.1 245.86,50.17 243.48,47.78 D3,12.1 ; S3,12v0.1 256.24,49.17 ; S3,12v1.1 265.35,59.69 v1(264.32,60.72) ; 247.65,50.17 247.47,50.17
Net-(D4,0-K): length 29.6
  Top w0.25: v1(9.53,26.19) v1(19.05,26.19)
  Bottom w0.25: v1(19.05,26.19) 21.43,23.81 26.19,23.81 28.42,26.04 S4,0v0.1 ; v1(9.53,26.19) 6.43,26.19 D4,0.1 4.82,27.92 S4,0v1.1
Net-(D4,1-K): length 34.1
  Top w0.25: v1(17.86,36.91) v1(20.24,36.91)
  Bottom w0.25: v1(20.24,36.91) 21.43,36.91 26.25,32.09 S4,1v1.1 ; D4,1.1 1.69,32.65 2.38,33.34 10.72,33.34 14.29,36.91 v1(17.86,36.91)
Net-(D4,2-K): length 3.3
  Bottom w0.25: D4,2.1 45.24,31.06 S4,2.1
Net-(D4,3-K): length 3.3
  Bottom w0.25: S4,3.1 64.29,31.06 D4,3.1
Net-(D4,4-K): length 3.3
  Bottom w0.25: S4,4.1 83.34,31.06 D4,4.1
Net-(D4,5-K): length 3.3
  Bottom w0.25: S4,5.1 102.39,31.06 D4,5.1
Net-(D4,6-K): length 3.3
  Bottom w0.25: S4,6.1 121.44,31.06 D4,6.1
Net-(D4,7-K): length 3.3
  Bottom w0.25: S4,7.1 140.49,31.06 D4,7.1
Net-(D4,8-K): length 3.3
  Bottom w0.25: S4,8.1 159.54,31.06 D4,8.1
Net-(D4,9-K): length 3.3
  Bottom w0.25: D4,9.1 178.59,31.06 S4,9.1
Net-(D4,10-K): length 3.3
  Bottom w0.25: S4,10.1 197.64,31.06 D4,10.1
Net-(D4,11-K): length 3.3
  Bottom w0.25: D4,11.1 216.75,27.92 S4,11.1
Net-(D4,12-K): length 38.9
  Bottom w0.25: D4,12.1 237.53,27.98 240.67,31.12 S4,12v0.1 252.47,32.21 253.6,33.34 257.18,33.34 258.96,31.55 261.34,31.55 262.53,30.36 262.53,26.79 261.34,25.6 258.96,25.6 258.52,26.04 S4,12v1.1
Net-(D4,13-K): length 5.1
  Bottom w0.25: 282.18,25.6 284.44,27.86 D4,13.1
Net-(D5,0-K): length 24.8
  Bottom w0.25: S5,0v0.1 4.76,12.01 D5,0.1 6.78,6.79 13.45,6.79 16.67,3.57 20.24,3.57 21.37,4.7 S5,0v1.1
Net-(D5,1-K): length 24.8
  Bottom w0.25: S5,1v1.1 45.19,4.7 44.05,3.57 40.48,3.57 37.26,6.79 30.6,6.79 D5,1.1 28.58,12.01 S5,1v0.1
Net-(D5,2-K): length 24.8
  Bottom w0.25: S5,2v1.1 69,4.7 67.87,3.57 64.29,3.57 61.11,6.75 55.16,6.75 53.1,8.81 D5,2.1 52.39,12.01 S5,2v0.1
Net-(D5,3-K): length 3.3
  Bottom w0.25: D5,3.1 97.63,12.01 S5,3.1
Net-(D5,4-K): length 38.2
  Top w0.25: v1(144.07,4.76) 141.68,7.14 v1(133.35,7.14)
  Bottom w0.25: 123.83,8.33 123.88,8.39 S5,4v0.1 ; 123.83,8.33 123.35,8.81 D5,4.1 ; 123.83,8.33 126.21,5.95 132.16,5.95 v1(133.35,7.14) ; S5,4v1.1 147.74,4.76 v1(144.07,4.76)
Net-(D5,5-K): length 3.3
  Bottom w0.25: S5,5.1 173.89,8.87 D5,5.1
Net-(D5,6-K): length 3.3
  Bottom w0.25: D5,6.1 195.26,12.01 S5,6.1
Net-(D5,7-K): length 24.8
  Bottom w0.25: S5,7v1.1 216.75,8.87 D5,7.1 218.75,6.75 225.42,6.75 228.6,3.57 232.17,3.57 233.3,4.7 S5,7v0.1
Net-(D5,8-K): length 24.8
  Bottom w0.25: S5,8v0.1 257.12,4.7 255.98,3.57 252.41,3.57 249.19,6.79 242.81,6.79 240.8,8.81 D5,8.1 240.51,12.01 S5,8v1.1
Net-(D5,9-K): length 24.8
  Bottom w0.25: S5,9v1.1 264.32,12.01 D5,9.1 266.38,6.75 273.05,6.75 276.23,3.57 279.8,3.57 280.93,4.7 S5,9v0.1
Net-(D5,10-K): length 3.3
  Bottom w0.25: D5,10.1 292.89,12.01 S5,10.1
Net-(D5,11-K): length 3.3
  Bottom w0.25: D5,11.1 311.94,12.01 S5,11.1
Net-(D5,12-K): length 3.3
  Bottom w0.25: D5,12.1 311.94,31.06 S5,12.1
Net-(D5,13-K): length 3.3
  Bottom w0.25: S5,13.1 330.99,12.01 D5,13.1
Net-(D6,0-K): length 3.4
  Bottom w0.25: D6,0.1 293.21,111.82 S6,0.1
Net-(D6,1-K): length 3.4
  Bottom w0.25: D6,1.1 312.26,111.82 S6,1.1
Net-(D6,2-K): length 3.4
  Bottom w0.25: S6,2.1 331.31,111.82 D6,2.1
Net-(D6,3-K): length 3.4
  Bottom w0.25: S6,3.1 292.95,85.27 D6,3.1
Net-(D6,4-K): length 3.4
  Bottom w0.25: D6,4.1 312,85.27 S6,4.1
Net-(D6,5-K): length 3.4
  Bottom w0.25: D6,5.1 331.05,85.27 S6,5.1
Net-(D6,6-K): length 2.8
  Bottom w0.25: S6,6.1 291.39,69.22 D6,6.1
Net-(D6,7-K): length 2.8
  Bottom w0.25: D6,7.1 310.44,69.22 S6,7.1
Net-(D6,8-K): length 2.8
  Bottom w0.25: S6,8.1 329.49,69.22 D6,8.1
Net-(D6,9-K): length 21.7
  Bottom w0.25: D6,9.1 273.84,94.06 278.61,89.3 282.18,89.3 283.37,88.11 283.37,84.53 283.31,84.48 S6,9.1

## Text on the board
B.Silkscreen: Step | 6.25u | ISO | 3.0u | 7.0u | Split | ANSI | Cent | 7.0u/3.0u | Full
F.Silkscreen: Break Here / for FRL | Full / 2.0u | ANSI / 2.0u | ISO / 2.0u
